# Altium PCB OCP-TimeCardMini-TI_V1.PcbDoc (part 3 of 11) (continued)
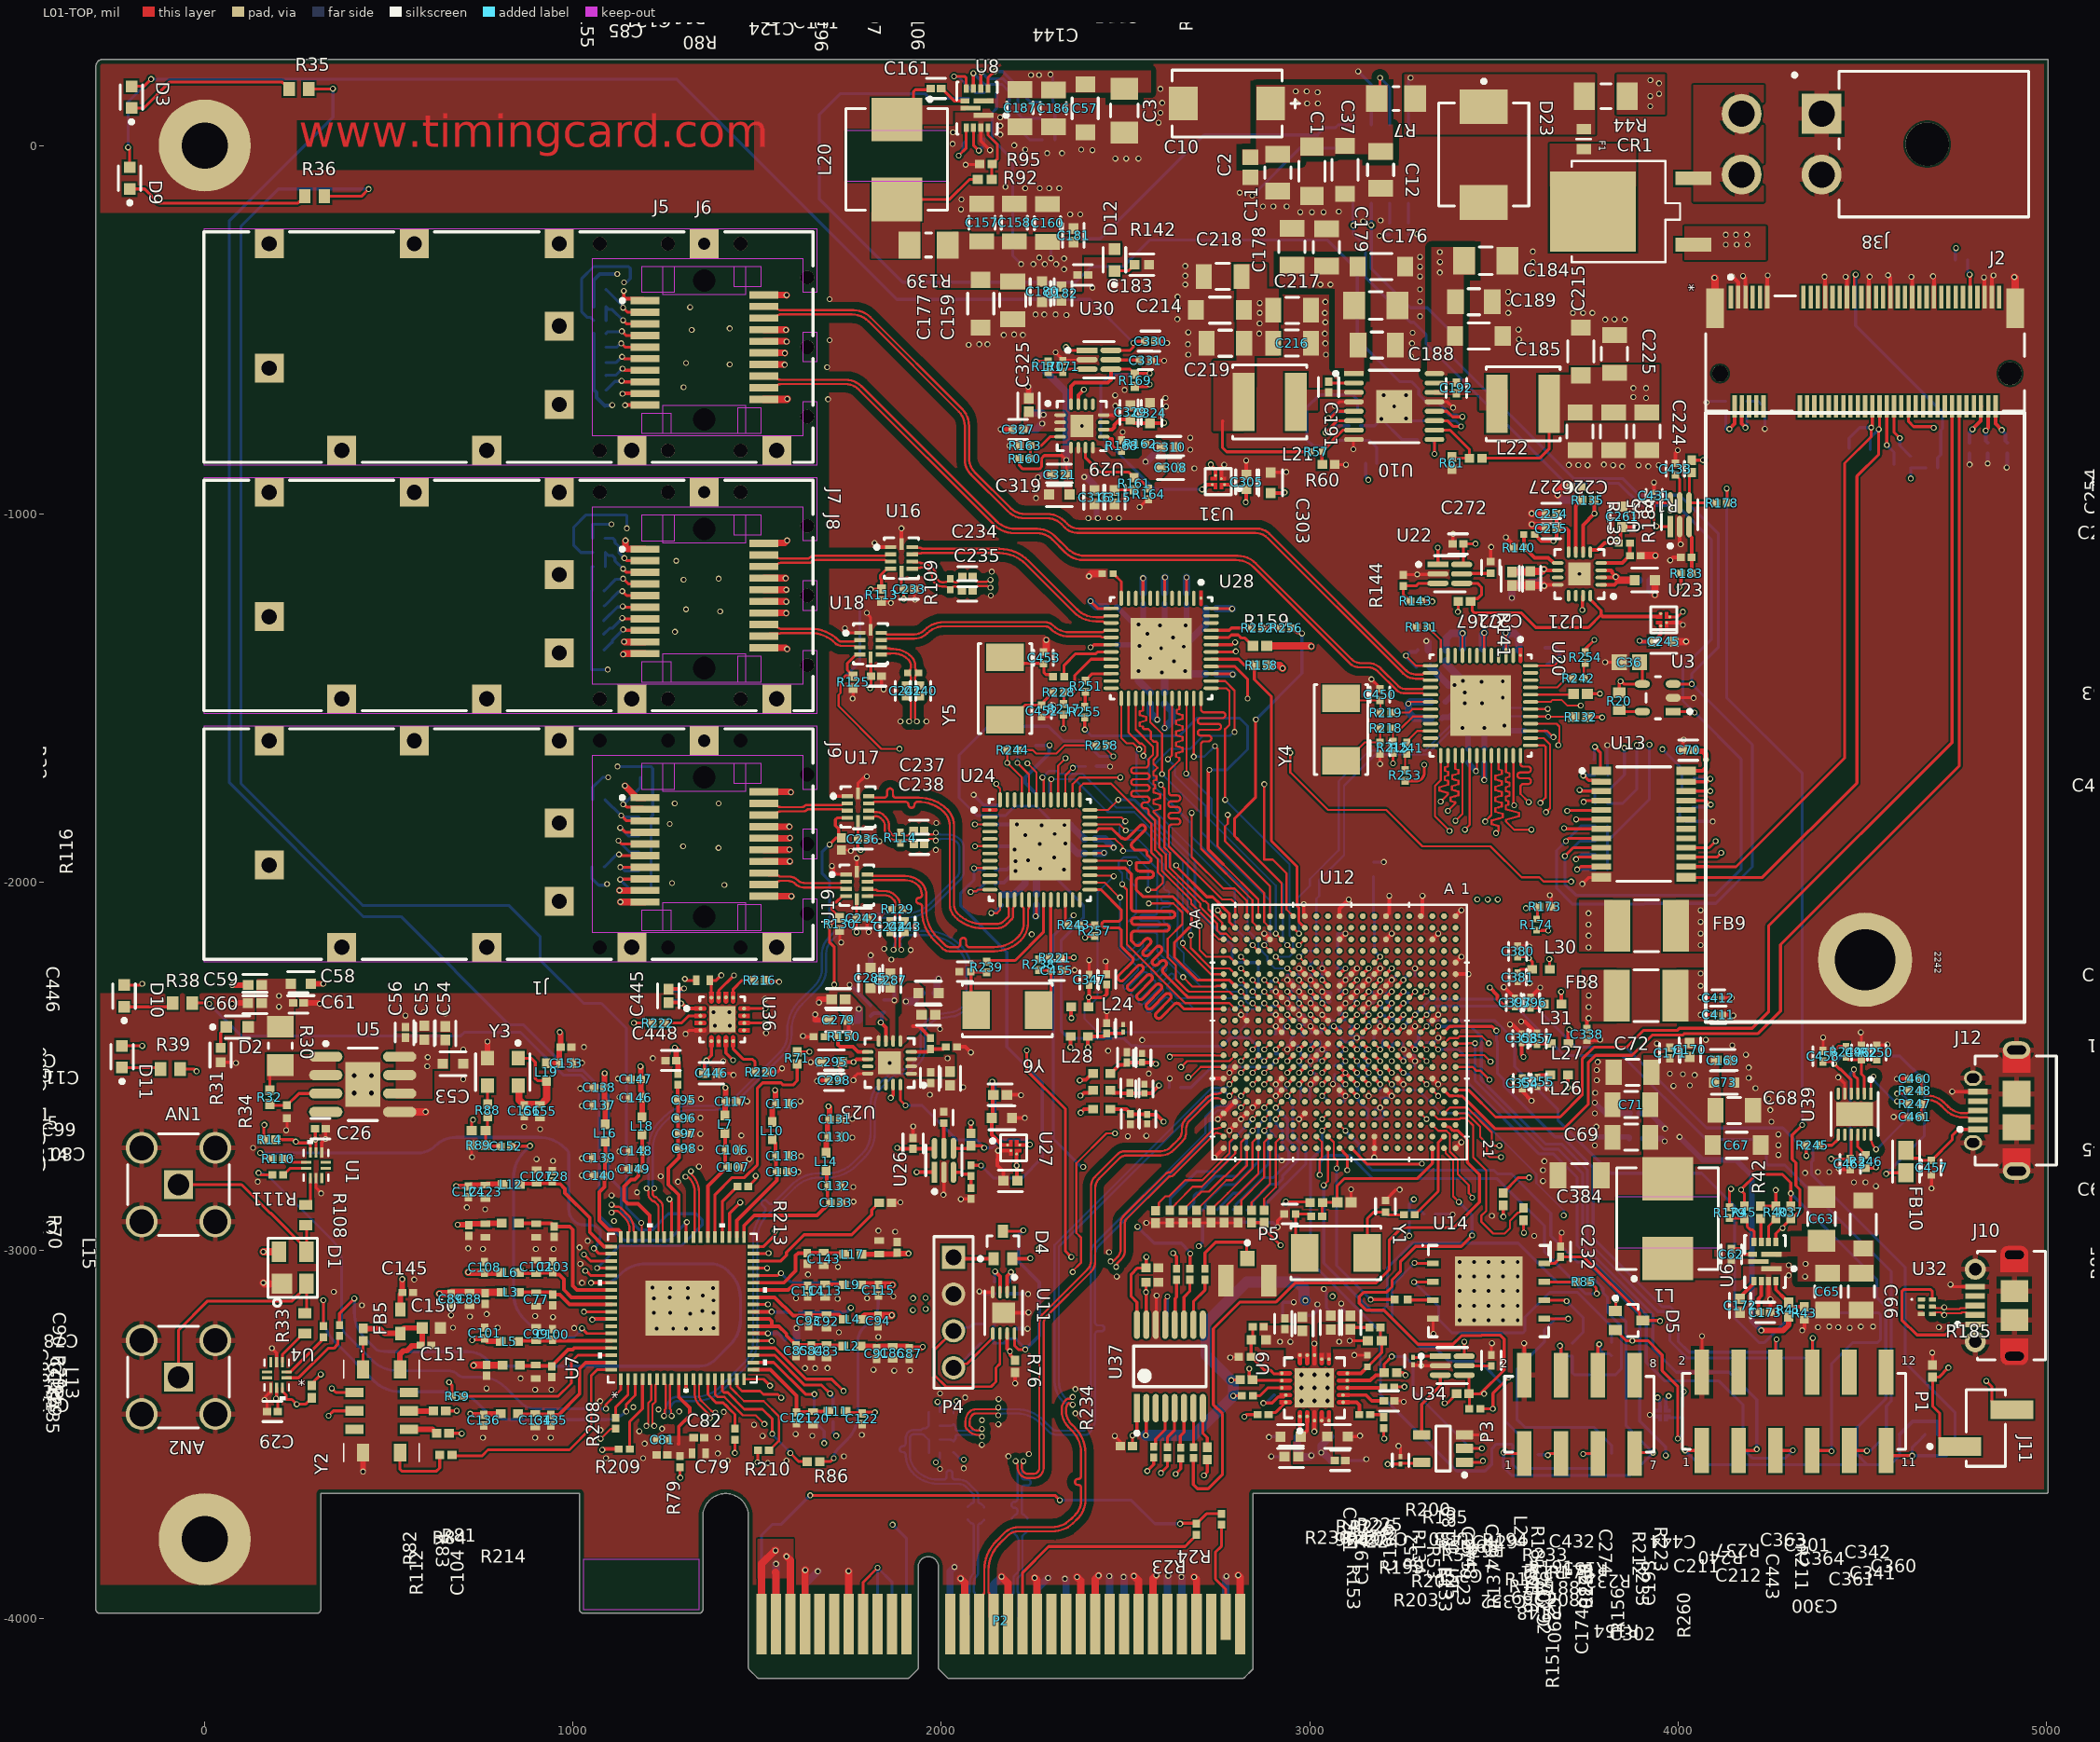
[diagram p0: L01-TOP view]
## Footprints (in the part's own frame and the unit in brackets; to place one, negate y for a bottom-side part, rotate by r counter-clockwise, add the part's x,y. Pads: shape width x height; smd on the part's side, far side on the other; paste and mask are expansions set on the pad) (continued)
  rect 8x28 smd paste+0 mask+0: 3(-15.75,-34.5) 4(0,-34.5) 5(15.75,-34.5) 8(15.75,34.5) 9(0,34.5) 10(-15.75,34.5)
  silkscreen extent -33,-41 34,68, body extent -29,-36 29,36, height 24

## Part data
AN1 AN2: library part CMP-2000-05705-1, "Coaxial connector, 50 Ohm, -65 to 165 degC, 5-Pin THD, RoHS, Bulk", Dielectric Material=Polytetrafluoroethylene(PTFE), Frequency - Max=18GHz, Housing Color=Gold, Manufacturer=Amphenol, Operating Temperature=-65°C~165°C, Package Description="5-Pin Through Hole Device, Body 7 x 7 mm, Pitch 2.54 mm", Package Reference=901-143-6RFX, Standard Package=1, Voltage Rating=-, 3D Model=901-143-6RFX.igs, Body Finish=Gold, Body Material=Brass, Cable Group=-, Catalog Drawings=901-143-6RFXMountingHole, CATEGORY=Connectors,Interconnects, Center Contact Material=BerylliumCopper, Center Contact Plating=Gold, Connector Style=SMA, Connector Type=Jack,FemaleSocket, Contact Termination=Solder, Datasheet URL=http://www.amphenolrf.com/downloads/dl/file/id/2712/product/3102/901_143_6rfx_customer_drawing.pdf, Datasheet Version="Rev. C, 06/2010", Family=CoaxialConnectors(RF), Fastening Type=Threaded, Features=-, Impedance=50Ohm, Ingress Protection=-, Manufacturer URL=http://www.amphenol.com/, Mounting Technology=ThroughHole, Mounting Type=ThroughHole,RightAngle, Online Catalog=SMA,RFX, Other Names=901-143-6-RFX9011436RFXARFX1232, Packaging=Bulk, Series=-, Shield Termination=Solder
C1: library part CMP-2000-07261-2, "CAP CER 10UF 25V X7R 1206", Capacitance=10uF, Case Code (Imperial)=1206, Case Code (Metric)=3216, Dielectric=X7R, Max Operating Temperature=125°C, Min Operating Temperature=-55°C, Package Quantity=1, Resistor Type=Ceramic, Tolerance=10%, Voltage Rating=25V, Case/Package=1206, Construction=Flat, Height=1.6mm, Length=0.126inch, Mount="Surface Mount", Number of Pins=2, Packaging="Tape and Reel", RoHS Compliant=Yes, Series=M, Termination=SMD/SMT, Thickness=0.071inch, Voltage Rating (DC)=25V, Weight=0.000571oz, Width=1.6mm
C2 C36: library part CMP-2006-00003-1, "C0603X104K5RACAUTO", Manufacturer=Kemet, Part Number=C0603X104K5RACAUTO
C3 C63 C175 C184: library part CMP-04427-006943-1, "General Purpose Ceramic Capacitor, 1206, 10uF, 20%, X5R, 15%, 25V", Capacitance=10uF, Case Code (Imperial)=1206, Case Code (Metric)=3216, Dielectric=X5R, Insulation Resistance=10GR, Max Operating Temperature=85°C, Min Operating Temperature=-55°C, Package Quantity=1, Tolerance=20%, Voltage Rating=25V, Case/Package=1206, Construction=Flat, Contact Plating=Tin, Depth=1.6mm, Dissipation Factor=12.5%, Height=0.07mm, Lead Free="Lead Free", Length=3.2mm, Mount="Surface Mount", Number of Pins=2, Packaging="Tape and Reel", Radiation Hardening=No, REACH SVHC="No SVHC", RoHS Compliant=Yes, Series=-, Termination=SMD/SMT, Thickness=0.07inch, Voltage Rating (DC)=25V, Width=1.6mm
C4 C5 C8 C14 C17 C22 C25 C30 C33 C40 C43 C50: library part CMP-2006-02285-3, "CAP CER 10UF 6.3V X5R 0603", Capacitance=10uF, Manufacturer=Kemet, Manufacturer Part Number=C0603C106M9PACTU, Temperature="-55°C to +85°C", Temperature Characteristic=X5R, Temperature Coefficient=15%, Temperature Range High=+85°C, Temperature Range Low=-55°C, Tolerance=20%, Voltage Rating=6.3V, Automotive=No, CATEGORY=Cap, ComponentLink2Description=Datasheet, ComponentLink2URL=http://www.kemet.com/Lists/ProductCatalog/Attachments/19/KEM_C1006_X5R_SMD.pdf, Device Class L1="Passive Components", Device Class L2=Capacitors, Device Class L3="Ceramic Capacitors", Digikey Description="CAP CER 10UF 6.3V X5R 0603", Height=0.9mm, Ipc Land Pattern Name=CAPC16080X80, Lead Free=Yes, Material=Ceramic, Mouser Description="In a Pack of 10, KEMET 0603 (1608M) 10µF MLCC 6.3V dc ±20% SMD C0603C106M9PACTU", Octopart=https://octopart.com/c0603c106m9pactu-kemet-8375727, Package=C0603C106M9PACTU, RoHS=TRUE
C6 C9 C15 C18 C23 C27 C31 C34 C38 C41 C48 C51: library part CMP-2006-03238-1, Manufacturer=Kemet, Part Number=C0603C475K8PACTU
C7 C13 C16 C21 C24 C26 C28 C29 C32 C35 C39 C42 C49 C52 C56 C61 C62 C70 C76 C78 C80 C81 C82 C84 C85 C87 C89 C90 C91 C93 C94 C96 C97 C98 C100 C101 C103 C105 C107 C108 C110 C112 C114 C115 C117 C119 C121 C122 C124 C126 C128 C129 C131 C133 C135 C136 C138 C140 C142 C144 C147 C149 C152 C154 C156 C161 C163 C164 C165 C166 C167 C168 C171 C173 C183 C190 C191 C192 C194 C200 C204 C208 C213 C223 C231 C232 C233 C234 C235 C236 C237 C238 C239 C240 C241 C242 C243 C244 C248 C249 C253 C254 C255 C259 C260 C264 C265 C269 C270 C272 C277 C278 C282 C283 C284 C288 C289 C293 C294 C298 C299 C301 C306 C307 C311 C312 C313 C317 C318 C322 C323 C327 C328 C330 C447 C448 C451 C458 C463 C464: library part CMP-2008-02519-2, "General Purpose Ceramic Capacitor, 0402, 100nF, 10%, X7R, 15%, 25V", Capacitance=100nF, Case Code (Imperial)=0402, Case Code (Metric)=1005, Dielectric=X7R, Max Operating Temperature=125°C, Min Operating Temperature=-55°C, Package Quantity=1, Tolerance=10%, Voltage=25V, Case/Package=0402, Construction=Flat, Depth=0.5mm, Lead Free="Lead Free", Length=1mm, Mount="Surface Mount", Number of Pins=2, Packaging="Tape and Reel", Radiation Hardening=No, REACH SVHC="No SVHC", RoHS Compliant=Yes, Series=-, Termination=SMD/SMT, Thickness=0.022inch, Voltage Rating=25V, Voltage Rating (DC)=25V, Width=0.02inch
C10: library part CMP-2000-07207-2, "CAP TANT 100UF 10% 16V 2917", Capacitance=100uF, Case Code (Imperial)=2917, Case Code (Metric)=7343, Dielectric Material=Tantalum, ESR (Equivalent Series Resistance)=125mR, Max Operating Temperature=125°C, Min Operating Temperature=-55°C, Package Quantity=1, Tolerance=10%, Voltage=16V, Case/Package=2917, Construction=Flat, Depth=4.3mm, Dissipation Factor=8%, Failure Rate=0.001%, Features="General Purpose", Height=2.8mm, Height - Seated (Max)=0.122inch, Length=7.3mm, Life (Hours)=2000Hour, Mount="Surface Mount", Number of Pins=2, Packaging="Tape and Reel", Polarity=Polar, Radiation Hardening=No, REACH SVHC="No SVHC", RoHS Compliant=Yes, Series=T495, Termination=SMD/SMT, Voltage Rating=16V, Voltage Rating (DC)=16V, Weight=0.023634oz, Width=0.169inch
C11 C12 C65 C66 C178 C179 C186 C187 C188 C189: library part CMP-1037-04923-3, "Chip Multilayer Ceramic Capacitors for General Purpose, 1206, 4.7uF, X7R, 15%, 10%, 50V", Capacitance=4.7uF, Case Code (Imperial)=1206, Case Code (Metric)=3216, Dielectric=X7R, Max Operating Temperature=125°C, Min Operating Temperature=-55°C, Package Quantity=2000, Tolerance=10%, Voltage=50V, Case/Package=1206, Depth=1.6mm, Height=1.6mm, Lead Free="Lead Free", Length=3.2mm, Material=Ceramic, Mount="Surface Mount", Packaging="Tape and Reel", Radiation Hardening=No, REACH SVHC="No SVHC", Termination=SMD/SMT, Thickness=0.071inch, Voltage Rating=50V, Voltage Rating (DC)=50V, Width=0.063inch
C19: library part CMP-2008-00031-1, Manufacturer="AVX Interconnect / Elco", Part Number=LD02YD104KAB2A
C20 C53 C58 C73 C180 C197 C201 C205 C210 C220 C228 C245 C250 C256 C261 C266 C274 C279 C285 C290 C295 C303 C308 C314 C319 C324: library part CMP-2000-06226-4, "Multilayer Ceramic Capacitor 10uF 16V X5R 20% SMD 0603 T/R", Capacitance=10uF, Case Code (Imperial)=0603, Case Code (Metric)=1608, Dielectric=X5R, Max Operating Temperature=85°C, Min Operating Temperature=-55°C, Package Quantity=1, Tolerance=20%, Voltage Rating=16V, Case/Package=0603, Construction=Flat, Halogen Free="Halogen Free", Height=0.8mm, Length=0.063inch, Mount="Surface Mount", Packaging="Tape and Reel", RoHS Compliant=Yes, Series=M, Termination=SMD/SMT, Thickness=0.031inch, Voltage Rating (DC)=16V, Width=0.031inch
C37 C57 C64 C176 C185: library part CMP-2000-05397-3, "Multilayer Ceramic Capacitors 47uF ±20% 25V X5R SMD 1206", Capacitance=47uF, Case Code (Imperial)=1206, Case Code (Metric)=3216, Dielectric=X5R, Dielectric Material=Ceramic, Max Operating Temperature=85°C, Min Operating Temperature=-55°C, Package Quantity=1, Tolerance=20%, Voltage=25V, Case/Package=1206, Depth=1.6mm, Height=1.6mm, Lead Free="Lead Free", Length=0.126inch, Mount="Surface Mount", Packaging="Tape and Reel", REACH SVHC="No SVHC", Resistor Type=Ceramic, RoHS Compliant=Yes, Series=C, Termination=SMD/SMT, Thickness=0.071inch, Voltage Rating=25V, Voltage Rating (DC)=25V, Weight=0.000571oz, Width=0.063inch
C44 C45 C46 C47: "CAP, CER, 0.1UF, 50V, 10%, X7R, AEC-Q200, 0402", MAXTEMP=125C, MFG PART NUM=CGA2B3X7R1H104K050BB, MINTEMP=-55C, Supplier Part Number 1=445-6899-1-ND, VALENTIUM PART NUM=<VALENTIUM>, CATEGORY="CAP, CER", DESC="CAP, CER, 0.1UF, 50V, 10%, X7R, AEC-Q200, 0402", MFG Name=TDK, MODIFY DATE=10/23/2013, OTHER=AEC-Q200, P1=10%, P2=50V, P3=X7R, SIZE=0402, Supplier 1=Digi-Key
C54 C59 C169 C181 C198 C202 C206 C211 C221 C229 C246 C251 C257 C262 C267 C275 C280 C286 C291 C296 C304 C309 C315 C320 C325 C445: library part CMP-2000-05998-2, "Multilayer Ceramic Capacitors 2.2μF ±10% 16V X5R SMD 0402", Capacitance=2.2uF, Case Code (Imperial)=0402, Case Code (Metric)=1005, Dielectric=X5R, Dielectric Material=Ceramic, Max Operating Temperature=85°C, Min Operating Temperature=-55°C, Package Quantity=1, Tolerance=10%, Voltage Rating=16V, Case/Package=0402, Depth=0.5mm, Height=0.5mm, Lead Free="Lead Free", Length=1mm, Mount="Surface Mount", Packaging="Tape and Reel", REACH SVHC="No SVHC", Resistor Type=Ceramic, RoHS Compliant=Yes, Series=C, Termination=SMD/SMT, Thickness=0.022inch, Voltage Rating (DC)=16V, Weight=2.3E-05oz, Width=0.02inch
C55 C60 C162 C170 C172 C182 C199 C203 C207 C209 C212 C222 C230 C247 C252 C258 C263 C268 C271 C276 C281 C287 C292 C297 C300 C305 C310 C316 C321 C326 C329 C446: library part CMP-14477-000104-2, "None", Capacitance=1uF, Case Code (Imperial)=0402, Case Code (Metric)=1005, Dielectric=X5R, Max Operating Temperature=85°C, Min Operating Temperature=-55°C, Package Quantity=1, Tolerance=10%, Voltage Rating=16V, Case/Package=0402, Construction=Flat, Depth=0.5mm, Halogen Free="Halogen Free", Height=0.5mm, Length=1mm, Mount="Surface Mount", Number of Pins=2, Packaging="Tape and Reel", Radiation Hardening=No, RoHS Compliant=Yes, Series=M, Termination=SMD/SMT, Thickness=0.022inch, Voltage Rating (DC)=16V, Width=0.02inch
C67 C177 C214 C215: library part CMP-2000-07442-2, "Multilayer Ceramic Capacitors 47uF ±20% 16V X5R SMD 1206", Capacitance=47uF, Case Code (Imperial)=1206, Case Code (Metric)=3216, Dielectric=X5R, Dielectric Material=Ceramic, Max Operating Temperature=85°C, Min Operating Temperature=-55°C, Package Quantity=1, Tolerance=20%, Voltage Rating=16V, Case/Package=1206, Construction=Flat, Depth=1.6mm, Height=1.6mm, Lead Free="Lead Free", Length=3.2mm, Mount="Surface Mount", Packaging="Tape and Reel", Radiation Hardening=No, REACH SVHC="No SVHC", Resistor Type=Ceramic, RoHS Compliant=Yes, Series=C, Termination=SMD/SMT, Thickness=0.071inch, Voltage Rating (DC)=16V, Weight=0.000571oz, Width=0.063inch
C68 C69 C71 C72 C157 C158 C159 C160 C216 C217 C218 C219 C224 C225 C226 C227: library part CMP-2000-05869-2, "General Purpose Ceramic Capacitor, 1206, 22uF, 20%, X5R, 15%, 6.3V", Capacitance=22uF, Case Code (Imperial)=1206, Case Code (Metric)=3216, Dielectric=X5R, Max Operating Temperature=85°C, Min Operating Temperature=-55°C, Package Quantity=1, Tolerance=20%, Voltage=6.3V, Case/Package=1206, Construction=Flat, Contact Plating=Tin, Depth=1.6mm, Height=0.07mm, Lead Free="Lead Free", Length=3.2mm, Mount="Surface Mount", Number of Pins=2, Packaging="Tape and Reel", Radiation Hardening=No, REACH SVHC="No SVHC", RoHS Compliant=Yes, Series=-, Termination=SMD/SMT, Thickness=0.07inch, Voltage Rating=6.3V, Voltage Rating (DC)=6.3V, Width=0.063inch
C74: library part CMP-2008-02907-1, Manufacturer="AVX Interconnect / Elco", Part Number=04025C222JAT2A
C75 C77 C79 C83 C86 C88 C92 C95 C99 C102 C104 C106 C109 C111 C113 C116 C118 C120 C123 C125 C127 C130 C132 C134 C137 C139 C141 C143 C146 C148 C153 C155 C365 C413: library part CMP-13271-000002-1, "CAP CER 10UF 10V X5R 0402", Capacitance=10uF, Manufacturer=Samsung, Manufacturer Part Number=CL05A106MP5NUNC, Temperature="-55°C to +85°C", Temperature Characteristic=X5R, Temperature Coefficient=15%, Temperature Range High=+85°C, Temperature Range Low=-55°C, Tolerance=20%, Voltage Rating=10V, Automotive=No, CATEGORY=Cap, ComponentLink2Description=Datasheet, ComponentLink2URL=http://www.samsungsem.com/kr/support/product-search/mlcc/__icsFiles/afieldfile/2019/05/10/19-CL05A106MP5NUNC.pdf, Device Class L1="Passive Components", Device Class L2=Capacitors, Device Class L3="Ceramic Capacitors", Digikey Description="CAP CER 10UF 10V X5R 0402", Height=0.7mm, Ipc Land Pattern Name=CAPC10050X50, Lead Free=Yes, Material=Ceramic, Octopart=https://octopart.com/cl05a106mp5nunc-samsung-22457395, Package=CL05A106MP5NUNC, RoHS=TRUE
C145 C151: library part CMP-2000-05393-2, "Multilayer Ceramic Capacitors 100nF ±10% 50V X7R SMD 0402", Capacitance=100nF, Case Code (Imperial)=0402, Case Code (Metric)=1005, Dielectric=X7R, Dielectric Material=Ceramic, Max Operating Temperature=125°C, Min Operating Temperature=-55°C, Package Quantity=1, Tolerance=10%, Voltage=50V, Case/Package=0402, Construction=Flat, Depth=0.5mm, Height=0.5mm, Lead Free="Lead Free", Length=1mm, Mount="Surface Mount", Packaging="Tape and Reel", Radiation Hardening=No, REACH SVHC="No SVHC", Resistor Type=Ceramic, RoHS Compliant=Yes, Series=C, Termination=SMD/SMT, Thickness=0.022inch, Voltage Rating=50V, Voltage Rating (DC)=50V, Weight=2.3E-05oz, Width=0.02inch
C150: library part CMP-13271-004224-1, "Cap Ceramic 10uF 25V X5R ±20% Pad SMD 0603 +85°C T/R", Capacitance=10uF, Case Code (Imperial)=0603, Case Code (Metric)=1608, Dielectric=X5R, Max Operating Temperature=85°C, Min Operating Temperature=-55°C, Package Quantity=1, Tolerance=20%, Voltage Rating=25V, Case/Package=0603, Contact Plating=Tin, Lead Free="Lead Free", Length=0.063inch, Mount="Surface Mount", Packaging="Tape and Reel", Termination=Wraparound, Thickness=0.035inch, Width=0.031inch
C174 C193 C195 C196: library part CMP-1034-01886-2, Manufacturer=Kemet, Part Number=C0402C103K5RACTU
C273 C302 C331 C433: library part CMP-2008-03417-2, "CAP CER 100PF 50V C0G/NP0 0402", Capacitance="100 pF", Manufacturer=Kemet, Manufacturer Part Number=C0402C101G5GACTU, Package=C0402-BB, Temperature="-55°C to +125°C", Temperature Characteristic=C0G, Temperature Coefficient=15%, Temperature Range High=+125°C, Temperature Range Low=-55°C, Tolerance=0.02, Voltage Rating="50 V", Automotive=No, CATEGORY=Cap, ComponentLink2Description=Datasheet, ComponentLink2URL=https://content.kemet.com/datasheets/KEM_C1002_X7R_SMD.pdf, Device Class L1="Passive Components", Device Class L2=Capacitors, Device Class L3="Ceramic Capacitors", Digikey Description="CAP CER 100PF 50V C0G/NP0 0402", Height=0.55mm, Ipc Land Pattern Name=CAPC10050X50, Lead Free=Yes, Material=Ceramic, Mouser Description="Multilayer Ceramic Capacitors MLCC - SMD/SMT 50volts 100pF C0G 2%", Octopart=https://octopart.com/c0402c101g5gactu-kemet-16782744, RoHS=TRUE
C332 C333 C334 C335 C336 C337 C339 C367 C386 C408 C415: library part CMP-13271-002789-1, "Cap Ceramic 1uF 6.3V X5R ±20% Pad SMD 0201 +85°C T/R", Capacitance=1uF, Case Code (Imperial)=0201, Case Code (Metric)=0603, Dielectric=X5R, Max Operating Temperature=85°C, Min Operating Temperature=-55°C, Package Quantity=15000, Tolerance=20%, Voltage Rating=6.3V, Case/Package=0201, Depth=0.3mm, Height=0.3mm, Length=0.6mm, Mount="Surface Mount", Packaging="Tape and Reel", Radiation Hardening=No, Thickness=0.013inch, Width=0.012inch
C338: library part CMP-1034-02130-2, Manufacturer=Kemet, Part Number=C0402C335M7PACTU
C340 C343 C344 C345 C350 C353 C356 C359 C362 C368 C369 C370 C371 C372 C373 C374 C375 C376 C377 C378 C379 C382 C383 C387 C388 C389 C390 C391 C392 C393 C394 C395 C398 C399 C400 C401 C402 C403 C404 C405 C406 C409 C410 C412 C416 C417 C419 C420 C421 C422 C424 C425 C426 C427 C428 C429 C430 C431: library part CMP-2010-01264-2, "Chip Multilayer Ceramic Capacitors for General Purpose, 0201, 0.10uF, X5R, 15%, 10%, 10V", Capacitance=100nF, Case Code (Imperial)=0201, Case Code (Metric)=0603, Dielectric=X5R, Max Operating Temperature=85°C, Min Operating Temperature=-55°C, Package Quantity=1, Tolerance=10%, Voltage=10V, Case/Package=0201, Depth=0.3mm, Height=0.3mm, Lead Free="Lead Free", Length=0.6mm, Mount="Surface Mount", Packaging="Tape and Reel", Radiation Hardening=No, REACH SVHC="No SVHC", Termination=SMD/SMT, Thickness=0.013inch, Voltage Rating=10V, Voltage Rating (DC)=10V, Weight=6E-06oz, Width=0.012inch
C341 C346 C347 C348 C351 C354 C357 C360 C363 C380 C396: library part CMP-1033-00635-3, "Chip Multilayer Ceramic Capacitors for General Purpose, 0201, 10000pF, X7R, 15%, 10%, 6.3V", Capacitance=10nF, Case Code (Imperial)=0201, Case Code (Metric)=0603, Dielectric=X7R, Max Operating Temperature=125°C, Min Operating Temperature=-55°C, Package Quantity=15000, Tolerance=10%, Voltage=6.3V, Case/Package=0201, Depth=0.3mm, Height=0.3mm, Lead Free="Lead Free", Length=0.6mm, Mount="Surface Mount", Packaging="Tape and Reel", Radiation Hardening=No, REACH SVHC="No SVHC", Termination=SMD/SMT, Thickness=0.013inch, Voltage Rating=6.3V, Voltage Rating (DC)=6.3V, Width=0.012inch
C342 C352 C355 C358 C364 C366 C381 C385 C397 C407 C411 C414 C418 C423: library part CMP-06035-019701-1, "Chip Multilayer Ceramic Capacitors for General Purpose, 0201, 4.7uF, X5R, 15%, 20%, 6.3V", Capacitance=4.7uF, Case Code (Imperial)=0201, Case Code (Metric)=0603, Dielectric=X5R, Max Operating Temperature=85°C, Min Operating Temperature=-55°C, Tolerance=20%, Voltage Rating=6.3V, Case/Package=0201, Length=0.024inch, Mount="Surface Mount", Packaging="Tape and Reel", Thickness=0.022inch, Voltage Rating (DC)=6.3V, Width=0.012inch
C349 C361: library part CMP-13271-002641-1, "Cap Ceramic 2.2uF 6.3V X5R ±20% Pad SMD 0201 +85°C T/R", Capacitance=2.2uF, Case Code (Imperial)=0201, Case Code (Metric)=0603, Dielectric=X5R, Max Operating Temperature=85°C, Min Operating Temperature=-55°C, Tolerance=20%, Voltage Rating=6.3V, Case/Package=0201, Depth=0.3mm, Height=0.3mm, Length=0.6mm, Mount="Surface Mount", Packaging="Tape and Reel", Radiation Hardening=No, Thickness=0.013inch, Width=0.012inch
C384: library part CMP-1037-05002-1, "CAP 47uF 10V ±20% 1206 (3216 Metric) Thickness 1.9mm SMD", Case-EIA=1206, Case-Metric=3216, Rated Voltage="10 V", Tolerance=Â±20%, Max Thickness="1.9 mm", Technology=SMT
C432: library part CMP-13271-000387-1, "Cap Ceramic 10nF 50V X7R ±10% SMD 0402 +125°C Paper T/R", Capacitance=10nF, Case Code (Imperial)=0402, Case Code (Metric)=1005, Dielectric=X7R, Max Operating Temperature=125°C, Min Operating Temperature=-55°C, Package Quantity=1, Tolerance=10%, Voltage=50V, Case/Package=0402, Contact Plating=Tin, Depth=0.5mm, Height=0.5mm, Lead Free="Lead Free", Length=1mm, Material=Ceramic, Mount="Surface Mount", Packaging="Tape and Reel", Radiation Hardening=No, Thickness=0.022inch, Voltage Rating=50V, Voltage Rating (DC)=50V, Width=0.02inch
C434 C435 C436: library part CMP-06053-000047-1, "CAP FEEDTHRU 0.1UF 20% 6.3V 0402", Capacitance=100nF, Case/Package=0402, Current=2A, DC Resistance (DCR)=30mR, Max Operating Temperature=105°C, Min Operating Temperature=-55°C, Package Quantity=10000, Tolerance=20%, Voltage Rating=6.3V, Current Rating=2A, Height=0.02inch, Length=0.039inch, Mount="Surface Mount", Packaging="Tape and Reel", REACH SVHC="No SVHC", Voltage Rating (DC)=6.3V, Width=0.02inch
C443 C444 C449 C450 C452 C453 C455 C456: library part CMP-2008-00007-2, "CAP CER 16PF 50V C0G/NP0 0402", Capacitance="16 pF", Manufacturer=KEMET, Manufacturer Part Number=CBR04C160J5GAC, Package=CBR04C, Temperature="-55°C to +125°C", Temperature Characteristic=C0G, Temperature Coefficient=30ppm/°C, Temperature Range High=+125°C, Temperature Range Low=-55°C, Tolerance=0.05, Voltage Rating="50 V", Automotive=No, CATEGORY=Cap, ComponentLink2Description=Datasheet, ComponentLink2URL=https://content.kemet.com/datasheets/KEM_C1030_CBR_SMD.pdf, Device Class L1="Passive Components", Device Class L2=Capacitors, Device Class L3="Ceramic Capacitors", Digikey Description="CAP CER 16PF 50V C0G/NP0 0402", Height=0.55mm, Ipc Land Pattern Name=CAPC10050X50, Lead Free=Yes, Material=Ceramic, Mouser Description="Multilayer Ceramic Capacitors MLCC - SMD/SMT 50volts 16pF C0G 0402 5% Tol RF", Octopart=https://octopart.com/cbr04c160j5gac-kemet-20446740, RoHS=TRUE
C457 C462: library part CMP-2100-03592-2, "CAP CER 10000PF 50V X7R 0402", Capacitance="10 nF", Manufacturer=YAGEO, Manufacturer Part Number=CC0402KRX7R9BB103, Package=CC0402, Temperature="-55°C to +125°C", Temperature Characteristic=X7R, Temperature Coefficient=30ppm/°C, Temperature Range High=+125°C, Temperature Range Low=-55°C, Tolerance=0.1, Voltage Rating="50 V", Automotive=No, Automotive Grade=NA, CATEGORY=Cap, ComponentLink2Description=Datasheet, ComponentLink2URL=http://www.yageo.com/documents/recent/UPY-GP_NP0_16V-to-50V_16.pdf, Device Class L1="Passive Components", Device Class L2=Capacitors, Device Class L3="Ceramic Capacitors", Digikey Description="CAP CER 10000PF 50V X7R 0402", Footprint Url=http://www.yageo.com/exep/pages/download/literatures/UPY-C_GEN_24.pdf, Height=0.55mm, Ipc Land Pattern Name=CAPC10050X50, Lead Free=Yes, Material=Ceramic, Mouser Description="0402 10 nF 50 V ±10 % Tolerance X7R SMT Multilayer Ceramic Capacitor", Octopart=https://octopart.com/cc0402krx7r9bb103-yageo-8376513, RoHS=TRUE
C459: library part CMP-13271-001468-1, "Cap Ceramic 4.7uF 16V X5R ±20% SMD 0402 +85°C Paper T/R", Capacitance=4.7uF, Case Code (Imperial)=0402, Case Code (Metric)=1005, Max Operating Temperature=85°C, Min Operating Temperature=-55°C, Tolerance=20%, Voltage Rating=16V, Case/Package=0402, Length=0.039inch, Mount="Surface Mount", Packaging="Tape and Reel", Thickness=0.022inch, Width=0.02inch
C460 C461: library part CMP-2008-04368-1, Manufacturer=Murata, Part Number=GRM1555C1H470JA01D
CR1: "No Description Available", Mfr_Name="Diodes Inc", RefDes=RefDes, Type="Diodes - Rectifiers, Arrays"
D1: library part CMP-1486-00002-1, "TVS Diode WE-TVS-HS, VRWM=3.3V", Manufacturer="Wuerth Elektronik", Reverse Stand Off Voltage=3.3V, ComponentLink1Description="Manufacturer URL", ComponentLink1URL=http://www.we-online.com, ComponentLink2Description=Datasheet, ComponentLink2URL=http://katalog.we-online.de/kataloge/eisos/media/pdf/8240136.pdf, PackageReference=SOT143-4L, PartNumber=8240136
D2 D3 D9 D10 D11 D12: library part CMP-2000-05198-2, "LED GREEN CLEAR SMD", Case Code (Imperial)=0603, Case Code (Metric)=1608, Color=Green, Forward Current=30mA, Forward Voltage=2V, Lens Color=Colorless, Max Operating Temperature=85°C, Max Power Dissipation=75mW, Min Operating Temperature=-55°C, Package Quantity=1, Reverse Voltage=5V, Test Current=20mA, Case/Package=0603, Depth=0.8mm, Dominant Wavelength=571nm, Height=0.55mm, Illumination Color=Green, Lead Free="Lead Free", Length=1.6mm, Lens Style=Rectangular, Lens Transparency=Clear, Luminous Intensity=35mcd, Mount="Surface Mount", Number of Elements=1, Number of LEDs=1, Number of Pins=2, Packaging="Tape and Reel", Power Dissipation=75mW, Power Rating=75mW, Radiation Hardening=No, Viewing Angle=130°, Wavelength=574nm, Width=0.8mm
D4 D5: library part CMP-1055-00557-1, "Dual Series Cathode Schottky Barrier Diodes, 3-Pin SOT-323, Pb-Free, Tape and Reel", Manufacturer="On Semiconductor", ComponentLink1Description="Manufacturer URL", ComponentLink1URL=http://www.onsemi.com/, ComponentLink2Description=Datasheet, ComponentLink2URL=http://www.onsemi.cn/pub_link/Collateral/BAT54CWT1-D.PDF, ComponentLink3Description="Package Specification", ComponentLink3URL=http://www.onsemi.com/pub_link/Collateral/419-04.PDF, Configuration="Common Cathode", DatasheetVersion="Rev. 7", IFSM Max (A)=0.6, Mounting Technology="Surface Mount", PackageDescription="3-Pin Small Outline Transistor, Body 2 x 1.25 mm, Pitch 0.65 mm", PackageReference=SOT-323-3-419-04, PackageVersion="Rev. N, 11/2008", Packing="Tape and Reel", PartNumber=BAT54CWT1G, RoHS=TRUE, trr Max (ns)=5
D23: library part CMP-08607-000111-1, "TVS DIODE 12V 19.9V DO214AB", Breakdown Voltage=13.3V, Case/Package=DO-214AB, Clamping Voltage=19.9V, Leakage Current=2uA, Max Breakdown Voltage=14.7V, Max Operating Temperature=150°C, Max Power Dissipation=6.5W, Max Surge Current=150.8A, Min Operating Temperature=-55°C, Operating Supply Voltage=12V, Package Quantity=3000, Peak Pulse Power=3kW, Power Line Protection=No, Resistor Type=Zener, Test Current=1mA, Clamping Voltage-Max=19.9V, Diode Type=ZENER, Direction=Unidirectional, Lead Free="Lead Free", Min Breakdown Voltage=13.3V, Mount="Surface Mount", Number of Channels=1, Number of Elements=1, Number of Pins=2, Number of Unidirectional Channels=1, Packaging="Tape and Reel", Peak Pulse Current=150.8A, Polarity=Unidirectional, Power Dissipation=3kW, REACH SVHC="No SVHC", Reverse Breakdown Voltage=13.3V, Reverse Standoff Voltage=12V, RoHS Compliant=Yes, Series=SMDJ, Termination=SMD/SMT